# Altium PCB BACKPMAN3Rev1.0.PcbDoc (part 1 of 4) (continued)
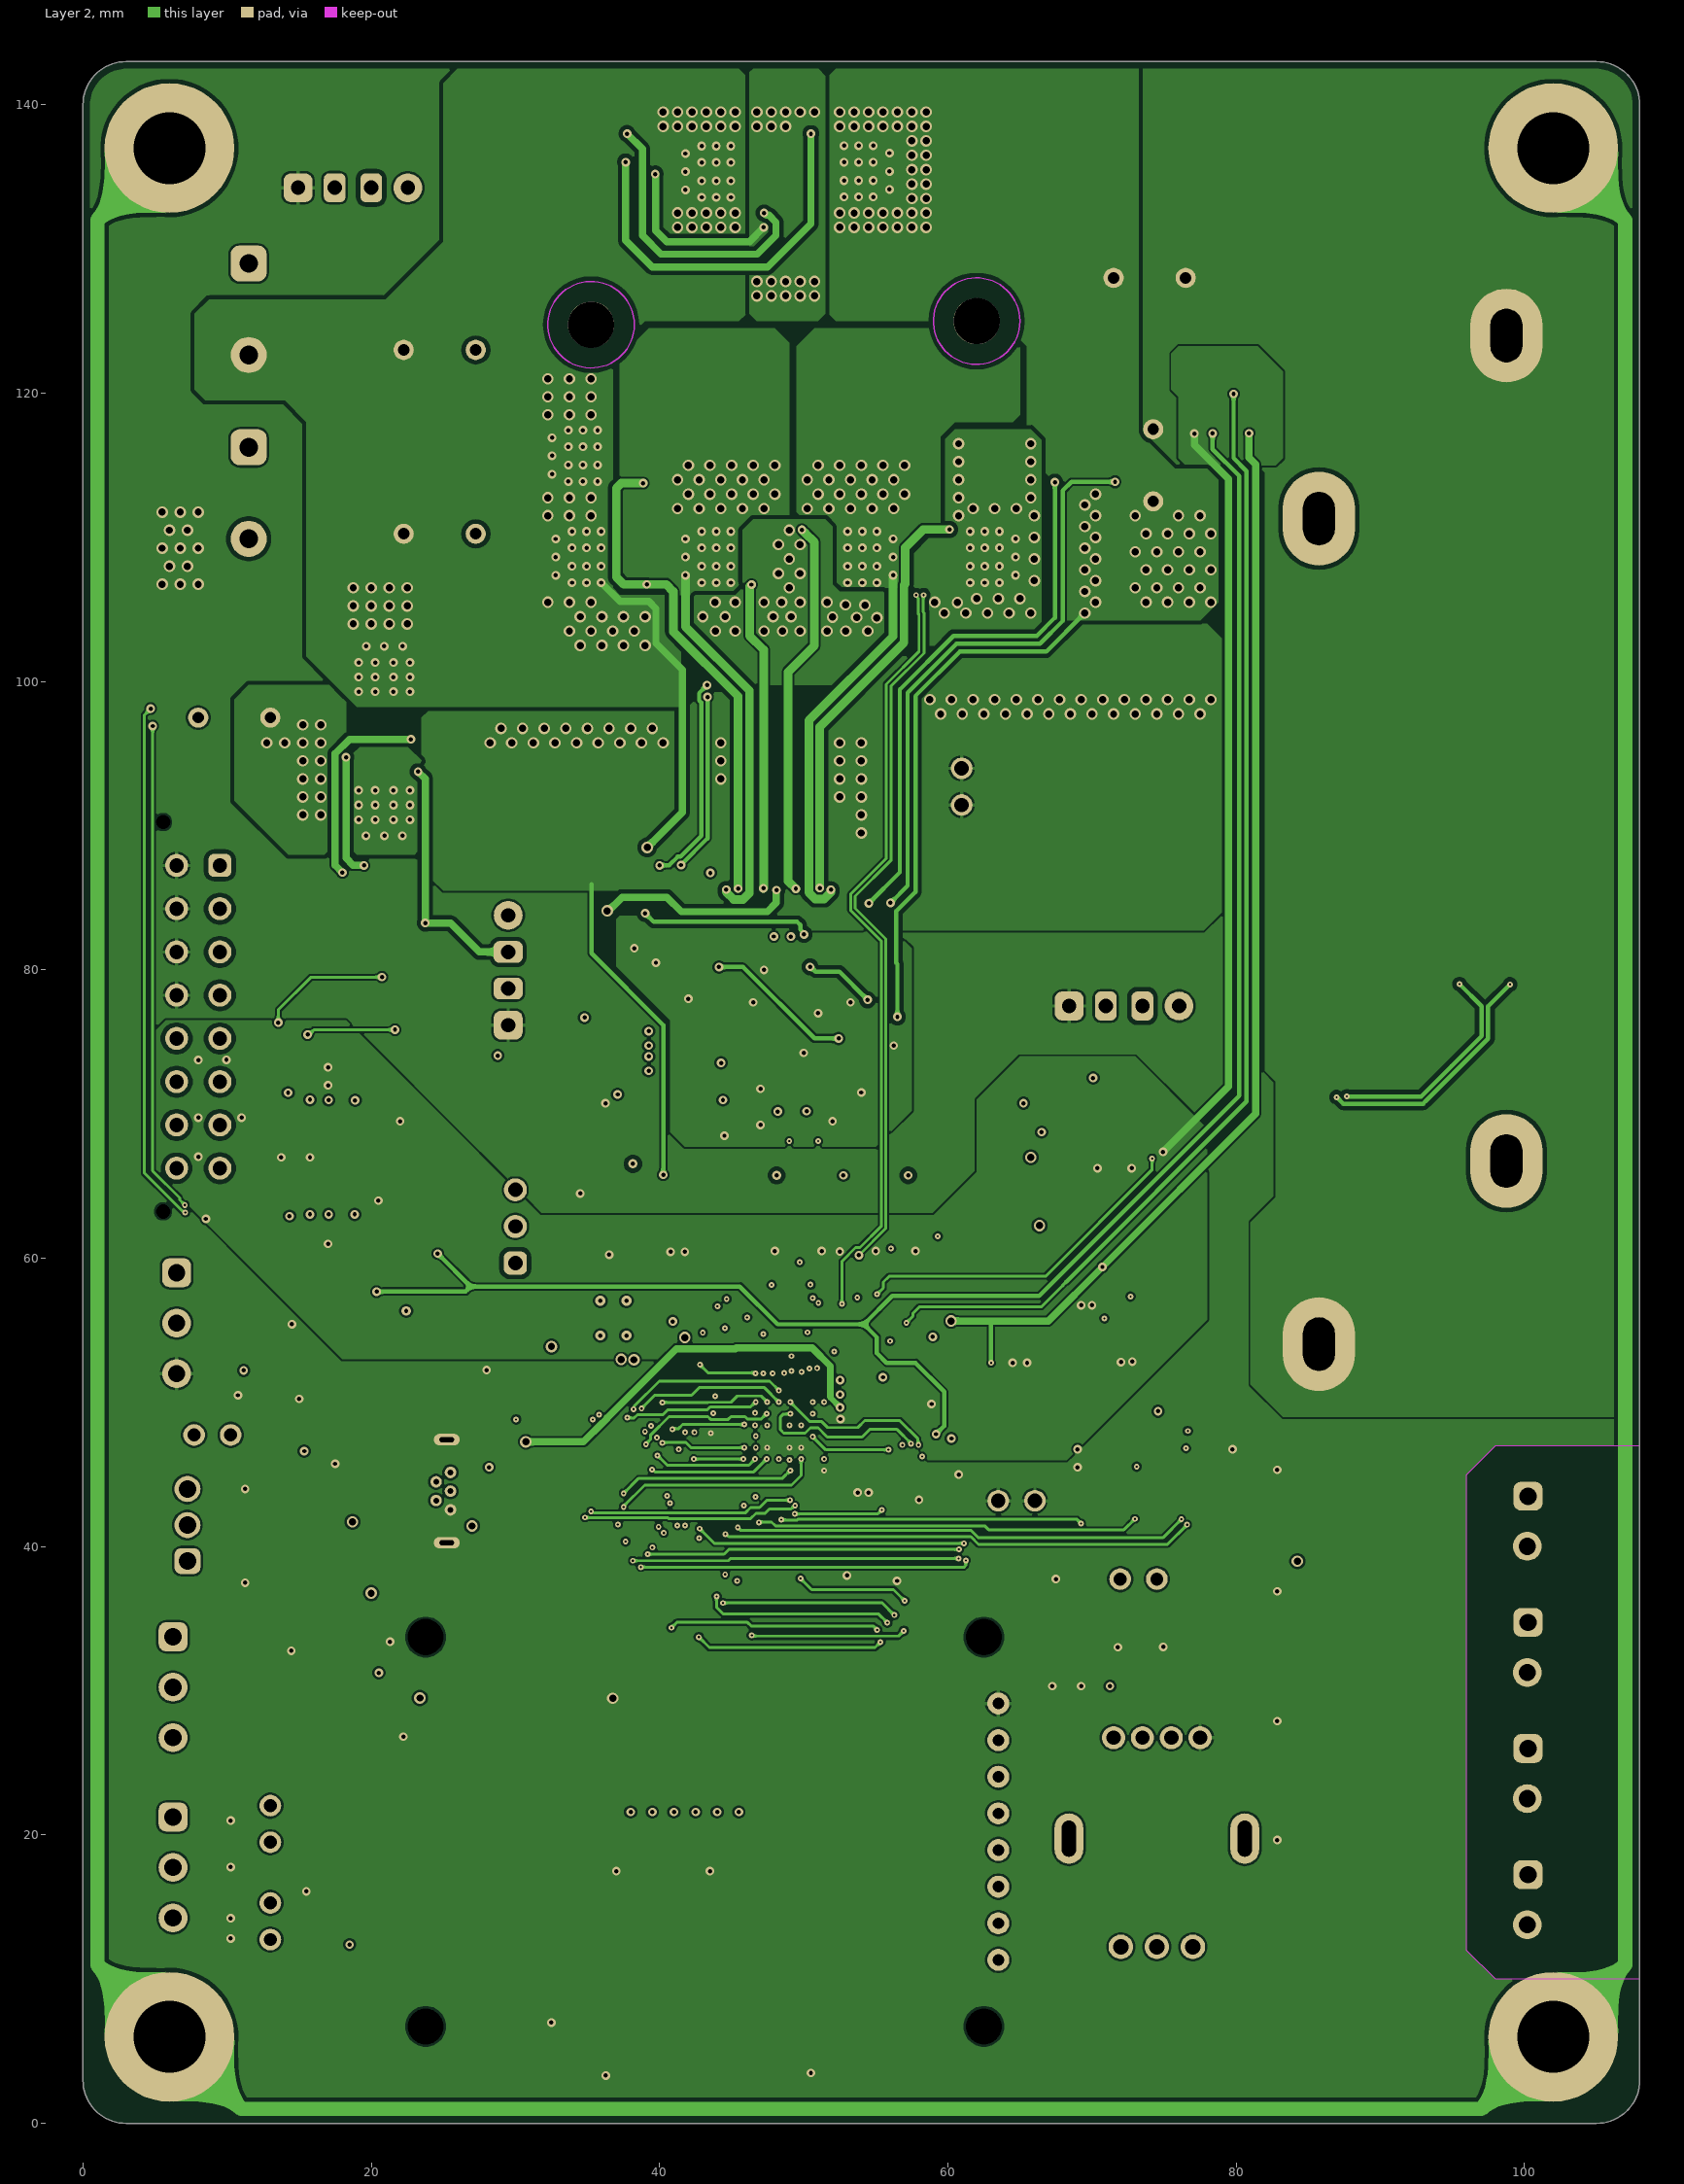
[diagram p3: Layer 2]
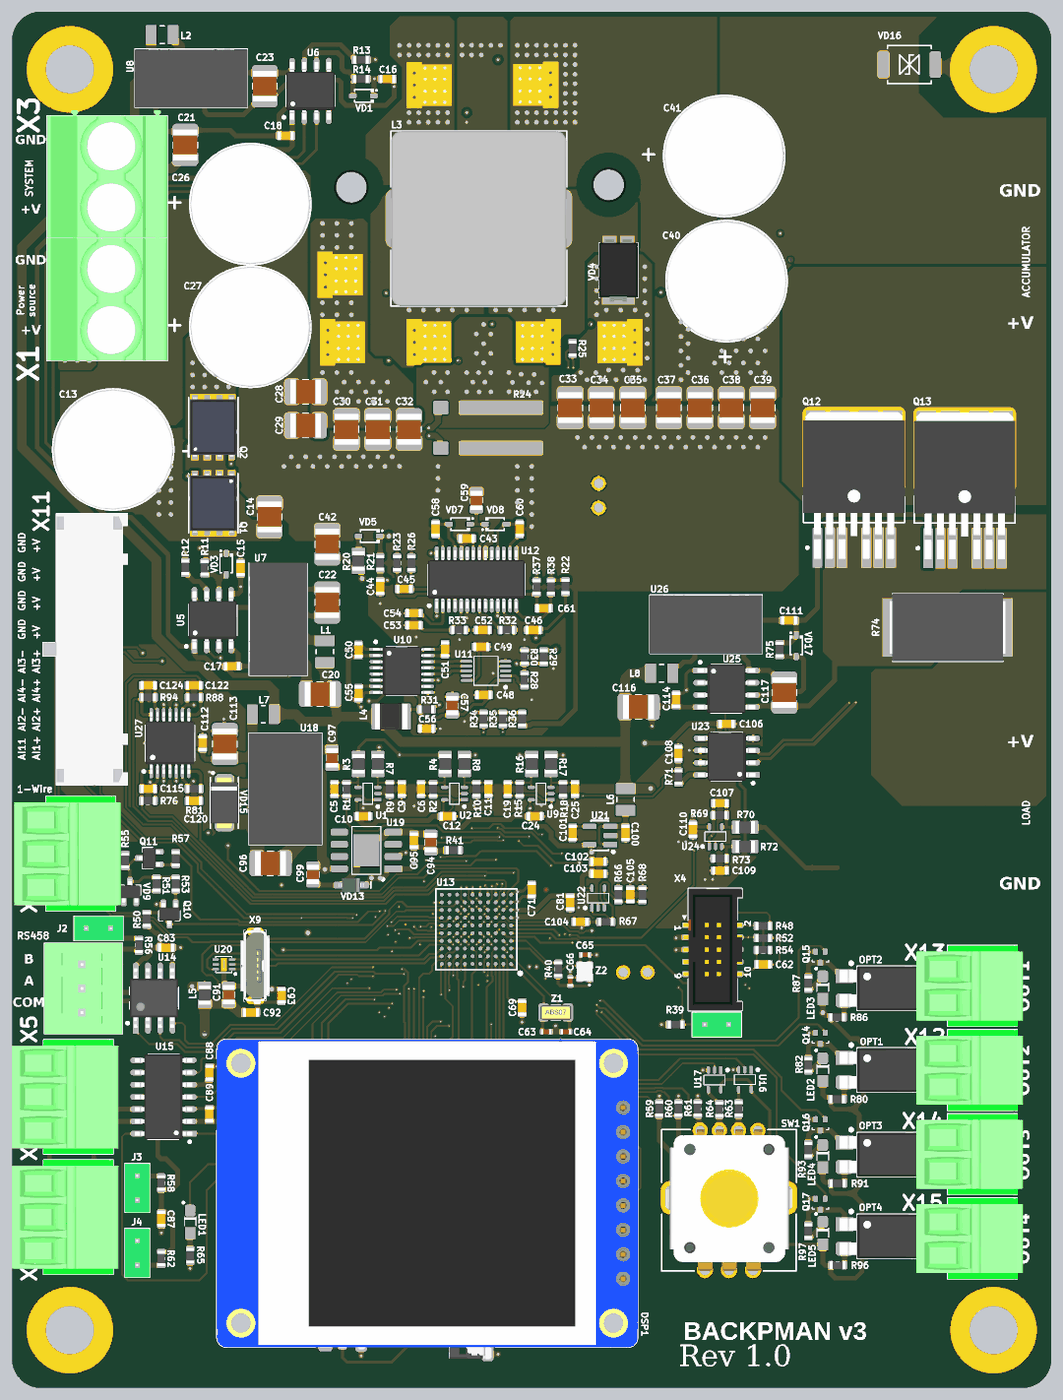
[diagram p7: 3D render of the assembled board from above, using the file's embedded part models]
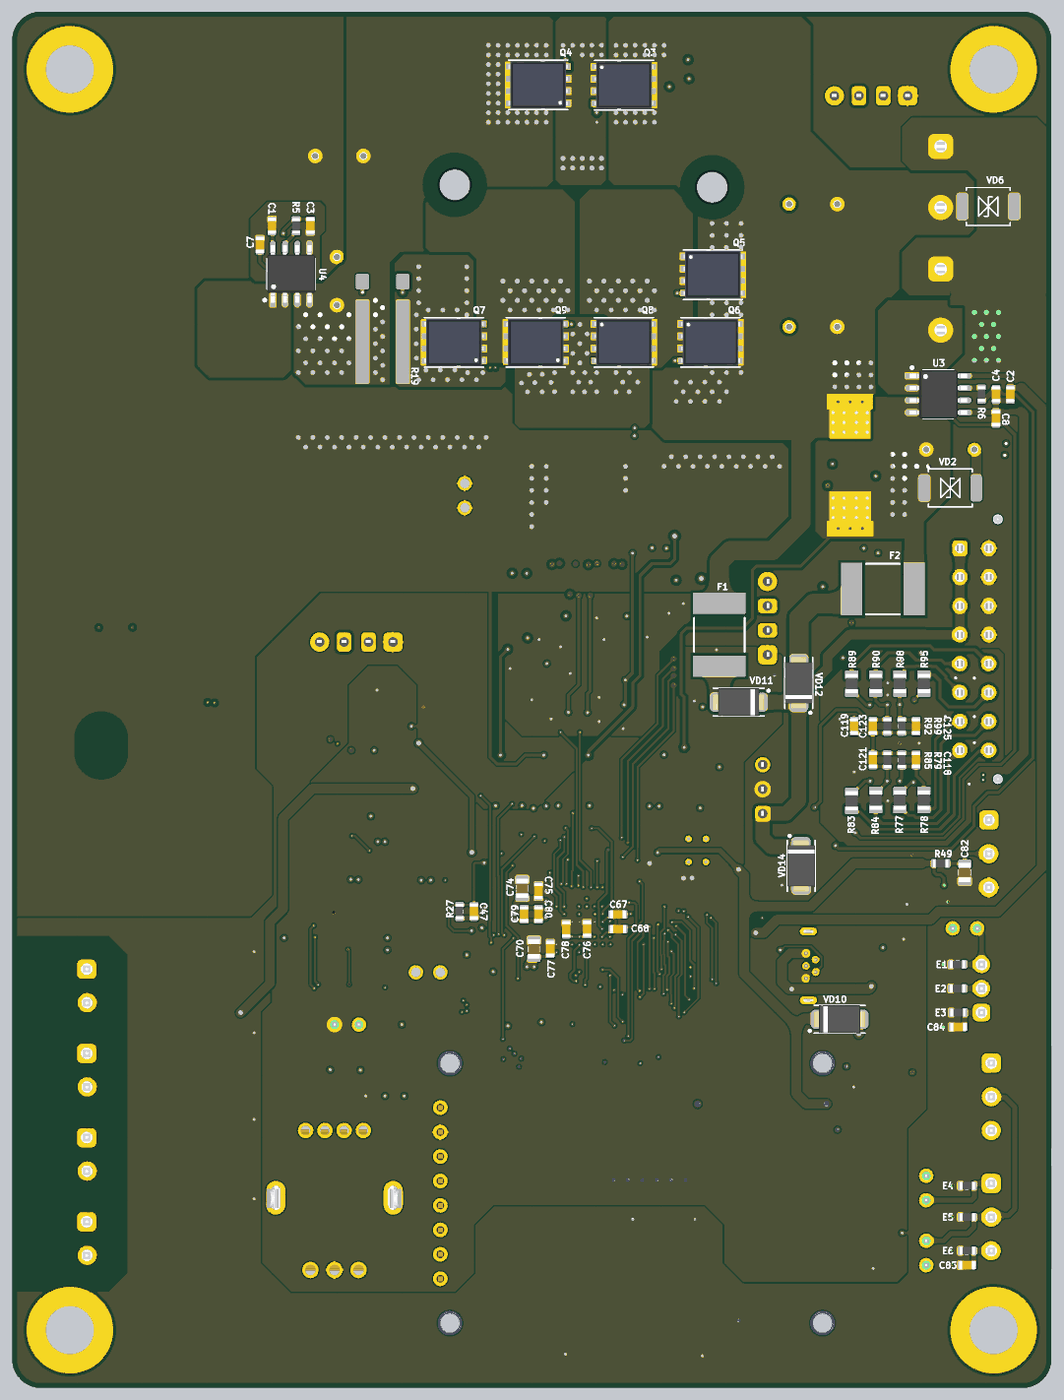
[diagram p8: 3D render of the assembled board from below, using the file's embedded part models]

## Layer stack, top to bottom
Top Solder: solder mask 0.0102, Solder Resist, Dk 3.5
Component Side: signal copper 0.035
Dielectric 2: prepreg 0.2184, PP-023, Dk 4.5
Layer 1: signal copper 0.07
Dielectric 1: core 0.9906, Core-042, Dk 4.6
Layer 2: signal copper 0.07
Dielectric 3: prepreg 0.2184, PP-023, Dk 4.5
Bottom Layer: signal copper 0.035
Solder Side: solder mask 0.0102, Solder Resist, Dk 3.5

## Board outline
0,3 0,140 cw(c3,140) 3,143 105,143 cw(c105,140) 108,140 108,3 cw(c105,3) 105,0 3,0 cw(c3,3)

## Design rules (kind name [scope] priority, off if disabled: settings)
BoardOutlineClearance BoardOutlineClearance_TopOverlay [OnLayer('Top Overlay')] p1: gap=0 ignorepadtopadclearanceinfootprint=FALSE
BoardOutlineClearance [All] p2: gap=0.5 ignorepadtopadclearanceinfootprint=FALSE except(0.2: Text-OutlineEdge Text-CavityEdge Text-CutoutEdge Text-SplitBarrior Text-SplitContinuation)
Clearance Clearance_5 [InNet('LDI+') vs InNet('LDI-')] p1: gap=0.15 ignorepadtopadclearanceinfootprint=FALSE
Clearance Clearance_4 [InNet('ACCUM_I-') vs InNet('+ACCV1')] p2: gap=0.15 ignorepadtopadclearanceinfootprint=FALSE
Clearance Clearance_3 [InNet('ACCUM_I+') vs InNet('ACCUM_I-')] p3: gap=0.15 ignorepadtopadclearanceinfootprint=FALSE
Clearance Clearance_2 [InNet('+SW2') vs InNet('TG2')] p4: gap=0.15 ignorepadtopadclearanceinfootprint=FALSE
Clearance Clearance_1 [InNet('SW1+') vs InNet('TG1')] p5: gap=0.15 ignorepadtopadclearanceinfootprint=FALSE
Clearance Clearance_24V [InNetClass('24V')] p6: gap=0.3 ignorepadtopadclearanceinfootprint=TRUE
Clearance Clearance_Poly [All vs InPolygon] p7: gap=0.15 ignorepadtopadclearanceinfootprint=FALSE
Clearance [All] p8: gap=0.125 ignorepadtopadclearanceinfootprint=FALSE
ComponentClearance [All] p1: gap=0 collisioncheckmode=3 verticalgap=0 showdistances=FALSE
Height [All] p1: minheight=0 maxheight=100 prefheight=12.7
HoleSize [All] p1: absolutevalues=TRUE maxlimit=7 minlimit=0.15 maxpercent=80.000 minpercent=20.000
MinimumAnnularRing Layer2 [OnLayer('Layer 2')] p1: minimumring=0.125
MinimumAnnularRing Layer1 [OnLayer('Layer 1')] p2: minimumring=0.125
MinimumAnnularRing All [All] p3: minimumring=0.1
MinimumSolderMaskSliver [All] p1: minsoldermaskwidth=0.05
PlaneConnect [All] p1: planeconnectstyle=Direct reliefexpansion=0.508 reliefentries=4 reliefconductorwidth=0.254 reliefairgap=0.254
PolygonConnect PolygonConnect_Components [All vs InComponent('X11') or InComponent('X6') or InComponent('X5') or InComponent('X7') or  InComponent('X8') or InComponent('DSP1')  or InComponent('uSD1') or InComponent('SW1')  or InComponent('U7')  or InComponent('U8')  or InComponent('U26')] p1: thpad.connectstyle=Relief thpad.reliefconductorwidth=0.25 thpad.reliefentries=4 thpad.polygonreliefangle="90 Angle" thpad.airgapwidth=0.15 smdpad.connectstyle=Relief smdpad.reliefconductorwidth=0.25 smdpad.reliefentries=4 smdpad.polygonreliefangle="90 Angle" smdpad.airgapwidth=0.15 via.connectstyle=Direct via.reliefconductorwidth=0.254 via.reliefentries=4 via.polygonreliefangle="90 Angle" via.airgapwidth=0.254
PolygonConnect PolygonConnect_AGND [All vs IsNamedPolygon('AGND1') or IsNamedPolygon('AGND2')   or IsNamedPolygon('AGND3') or IsNamedPolygon('CGND')] p2: thpad.connectstyle=Relief thpad.reliefconductorwidth=0.25 thpad.reliefentries=4 thpad.polygonreliefangle="90 Angle" thpad.airgapwidth=0.15 smdpad.connectstyle=Relief smdpad.reliefconductorwidth=0.25 smdpad.reliefentries=4 smdpad.polygonreliefangle="90 Angle" smdpad.airgapwidth=0.15 via.connectstyle=Direct via.reliefconductorwidth=0.254 via.reliefentries=4 via.polygonreliefangle="90 Angle" via.airgapwidth=0.254
PolygonConnect [All] p3: connectstyle=Direct reliefconductorwidth=0.254 reliefentries=4 polygonreliefangle="90 Angle" airgapwidth=0.254
RoutingVias [All] p1: holewidth=0.15 width=0.35 viastyle="Through Hole" minholewidth=0.15 minwidth=0.35 maxholewidth=7 maxwidth=10
SMDEntry [All] p1: side=TRUE corner=TRUE anyangle=TRUE
SilkToSilkClearance [All] p1: silktosilkclearance=0
SilkToSolderMaskClearance [IsPad] p1: minsilkscreentomaskgap=0.05 clearancetoexposedcopper=TRUE
SolderMaskExpansion [All] p1: expansion=0.05 istentingtop=FALSE
ViasUnderSMD [All] p1: allowed=TRUE
Width Width_inner [(OnLayer('Layer 1') OR OnLayer('Layer 2'))] p1: maxlimit=10 minlimit=0.2 preferedwidth=0.2
Width [All] p2: maxlimit=10 minlimit=0.125 preferedwidth=0.125
23 further rules are at their usual default settings.

## Classes and differential pairs
net class uSD: SDMMC_CLK SDMMC_CMD SDMMC_D0 SDMMC_D1 SDMMC_D2 SDMMC_D3
net class 24V: +ACCV +ACCV1 +ACCV_SW +CHRGV +LOADV +LOADV1 +PSRC +PSRC1 +PSRC_SW +PSRCV_IN +SW2 +SYSV ACCUM_I+ ACCUM_I- AIN1+ AIN1- AIN2+ AIN2- AIN3+ AIN3- AIN4+ AIN4- Earth LDI+ LDI- NetC58_1 NetC60_1 NetC61_1 NetC61_2 NetF1_2 NetF2_2 NetOPT1_3 NetOPT1_4 NetOPT2_3 NetOPT2_4 NetOPT3_3 NetOPT3_4 NetOPT4_3 NetOPT4_4 SW1+ TG1 TG2 VIN VINSNS VOUTSNS
net class 5V: +5V NetC93_1 NetLED2_2 NetLED3_2 NetLED4_2 NetLED5_2 NetOPT1_1 NetOPT1_2 NetOPT2_1 NetOPT2_2 NetOPT3_1 NetOPT3_2 NetOPT4_1 NetOPT4_2 USB_VBUS

## Components (designator, comment, footprint, x,y, rotation, side; value= is the part's Value field where it differs from the comment)
B1 "Net tie W10" "Net tee W 10 mm" 5.5,113.6 r90 bottom net-tie
B2 "Net tie 0.3mm" "Net tee 0.3 mm" 47.298,82.132 r270 top net-tie
B3 "Net tie 0.3mm" "Net tee 0.3 mm" 55.75,48.9 r90 bottom net-tie
B4 "Net tie 0.3mm" "Net tee 0.3 mm" 94.75,79 r0 top net-tie
B5 "Net tie 0.3mm" "Net tee 0.3 mm" 99.75,79 r180 top net-tie
C1 "0603B104K500CT" 1608[0603] 81,120.75 r270 bottom value="0.1 uF"
C2 "0603B104K500CT" 1608[0603] 4.25,103.25 r90 bottom value="0.1 uF"
C3 "Capacitor" "0603 CAP" 77,120.75 r270 bottom value="1 nF"
C4 "Capacitor" "0603 CAP" 5.75,103.25 r270 bottom value="1 nF"
C5 "06033A102FAT2A" 1608[0603] 33.5,62.225 r90 top value="1 n"
C6 "06033A102FAT2A" 1608[0603] 42.5,62.225 r90 top value="1 n"
C7 "Capacitor" "0603 CAP" 82.25,118.75 r270 bottom value="1 nF"
C8 "Capacitor" "0603 CAP" 5.75,100.75 r270 bottom value="1 nF"
C9 "06033A102FAT2A" 1608[0603] 40.5,62.225 r270 top value="1 n"
C10 "0603B104K500CT" 1608[0603] 36.5,59.4 r0 top value="0.1 uF"
C11 "06033A102FAT2A" 1608[0603] 49.5,62.225 r270 top value="1 n"
C12 "0603B104K500CT" 1608[0603] 45.25,59.4 r0 top value="0.1 uF"
C13 "EEU-FM1H471" "Through Hole 12.5/20/5" 13,97.5 r0 top value="470.0 uF"
C14 "GMC32X7R106K50NT" 3225[1210] 26.75,90.5 r90 top value="10 uF"
C15 "Capacitor" "0603 CAP" 23.75,85.175 r270 top value="1 nF"
C16 "Capacitor" "0603 CAP" 39,136 r0 top value="1 nF"
C17 "CL10B104KA8NNND" 1608[0603] 22.86,74.981 r0 top value="0.1 uF"
C18 "CL10B104KA8NNND" 1608[0603] 28.425,130.1 r180 top value="0.1 uF"
C19 "Capacitor" "0603 CAP" 51.5,62.225 r90 top value=0.047µF
C20 "GMC32X7R106K50NT" 3225[1210] 32,72.1 r180 top value="10 uF"
C21 "GMC32X7R106K50NT" 3225[1210] 18,129.15 r90 top value="10 uF"
C22 "GMC32X7R106K50NT" 3225[1210] 32.75,81.6 r90 top value="10 uF"
C23 "GMC32X7R106K50NT" 3225[1210] 26.25,135.25 r90 top value="10 uF"
C24 "0603B104K500CT" 1608[0603] 54.325,59.4 r0 top value="0.1 uF"
C25 "Capacitor" "0603 CAP" 58.5,62.225 r270 top value=0.047µF
C26 "EEU-FM1H471" "Through Hole 12.5/20/5" 22.25,123 r180 top value="470.0 uF"
C27 "EEU-FM1H471" "Through Hole 12.5/20/5" 22.25,110.25 r180 top value="470.0 uF"
C28 "GMC32X7R106K50NT" 3225[1210] 30.5,103.5 r180 top value="10 uF"
C29 "GMC32X7R106K50NT" 3225[1210] 30.5,100 r180 top value="10 uF"
C30 "GMC32X7R106K50NT" 3225[1210] 34.75,99.6 r270 top value="10 uF"
C31 "GMC32X7R106K50NT" 3225[1210] 38,99.6 r270 top value="10 uF"
C32 "GMC32X7R106K50NT" 3225[1210] 41.25,99.6 r270 top value="10 uF"
C33 "GMC32X7R106K50NT" 3225[1210] 58,101.85 r270 top value="10 uF"
C34 "GMC32X7R106K50NT" 3225[1210] 61.25,101.85 r270 top value="10 uF"
C35 "GMC32X7R106K50NT" 3225[1210] 64.5,101.85 r270 top value="10 uF"
C36 "GMC32X7R106K50NT" 3225[1210] 71.5,101.85 r270 top value="10 uF"
C37 "GMC32X7R106K50NT" 3225[1210] 68.25,101.85 r270 top value="10 uF"
C38 "GMC32X7R106K50NT" 3225[1210] 74.75,101.85 r270 top value="10 uF"
C39 "GMC32X7R106K50NT" 3225[1210] 78,101.85 r270 top value="10 uF"
C40 "EEU-FM1H471" "Through Hole 12.5/20/5" 74.25,112.5 r270 top value="470.0 uF"
C41 "EEU-FM1H471" "Through Hole 12.5/20/5" 71.5,128 r180 top value="470.0 uF"
C42 "GMC32X7R106K50NT" 3225[1210] 32.75,87.65 r90 top value="10 uF"
C43 "0603B104K500CT" 1608[0603] 47.25,88.25 r180 top value="0.1 uF"
C44 "0603B104K500CT" 1608[0603] 38.25,83.25 r270 top value="0.1 uF"
C45 "Capacitor" "0603 CAP" 40.75,83 r0 top value=33pF
C46 "0603B104K500CT" 1608[0603] 54.175,78.75 r180 top value="0.1 uF"
C47 "0603B104K500CT" 1608[0603] 60,49.5 r270 bottom value="0.1 uF"
C48 "0603B104K500CT" 1608[0603] 49,72 r180 top value="0.1 uF"
C49 "C1608X7R1H224K080AB" 1608[0603] 48.75,77 r180 top value="0.22 uF"
C50 "CL10B104KA8NNND" 1608[0603] 36,76.675 r90 top value="0.1 uF"
C51 "CL10B104KA8NNND" 1608[0603] 45,76.75 r90 top value="0.1 uF"
C52 "GMC10X7R103M50NT" 1608[0603] 48.925,78.75 r180 top value="10 nF"
C53 "Capacitor" "0603 CAP" 41.75,79.25 r0 top value=33pF
C54 "GMC10X7R103M50NT" 1608[0603] 41.75,80.5 r0 top value="10 nF"
C55 "CL10B104KA8NNND" 1608[0603] 36,72.175 r90 top value="0.1 uF"
C56 "CL10B104KA8NNND" 1608[0603] 43.075,68.5 r180 top value="0.1 uF"
C57 "GRM21BR61E106KA73L" 2012[0805] 45.75,70.85 r270 top value="10 uF"
C58 "C1608X7R1H224K080AB" 1608[0603] 44,89.25 r270 top value="0.22 uF"
C59 "GRM21BR61E106KA73L" 2012[0805] 48.25,92.25 r90 top value="10 uF"
C60 "C1608X7R1H224K080AB" 1608[0603] 52.75,89.25 r270 top value="0.22 uF"
C61 "C1608X5R1H105K080AB" 1608[0603] 55.25,81 r180 top value="1 uF"
C62 "CL10B104KA8NNND" 1608[0603] 78.075,44 r0 top value="0.1 uF"
C63 "Capacitor" "0402 CAP" 55.5,37 r0 top value=12pF
C64 "Capacitor" "0402 CAP" 57.548,37 r180 top value=12pF
C65 "Capacitor" "0402 CAP" 59.548,45 r0 top value=10pF
C66 "Capacitor" "0402 CAP" 58,42.25 r90 top value=10pF
C67 "C1608X5R1C225K080AB" 1608[0603] 45.05,49.2 r180 bottom value="2.2 µF"
C68 "C1608X5R1C225K080AB" 1608[0603] 45.025,47.675 r180 bottom value="2.2 µF"
C69 "C1608X5R1C225K080AB" 1608[0603] 53,39.5 r270 top value="2.2 µF"
C70 "GRM21BR61E106KA73L" 2012[0805] 53.775,45.65 r90 bottom value="10 uF"
C71 "C1608X5R1C225K080AB" 1608[0603] 54,51.75 r90 top value="2.2 µF"
C72 "GRM21BR61E106KA73L" 2012[0805] 32.55,5.1 r270 top value="10 uF"
C73 "0603B104K500CT" 1608[0603] 34.35,4.975 r270 top value="0.1 uF"
C74 "GRM21BR61E106KA73L" 2012[0805] 55,51.95 r90 bottom value="10 uF"
C75 "CL10B104KA8NNND" 1608[0603] 53.3,51.625 r90 bottom value="0.1 uF"
C76 "CL10B104KA8NNND" 1608[0603] 48.25,47.7 r90 bottom value="0.1 uF"
C77 "CL10B104KA8NNND" 1608[0603] 52.075,45.625 r90 bottom value="0.1 uF"
C78 "CL10B104KA8NNND" 1608[0603] 50.425,47.65 r90 bottom value="0.1 uF"
C79 "CL10B104KA8NNND" 1608[0603] 54.8,49.225 r90 bottom value="0.1 uF"
C80 "GMC10X7R103M50NT" 1608[0603] 53.3,49.225 r270 bottom value="10 nF"
C81 "C1608X5R1C225K080AB" 1608[0603] 58,50.425 r270 top value="2.2 µF"
C82 "GRM21BR61E106KA73L" 2012[0805] 9,53.5 r270 bottom value="10 uF"
C83 "0603B104K500CT" 1608[0603] 16,45.75 r0 top value="0.1 uF"
C84 "CL10B104KA8NNND" 1608[0603] 9.675,37.5 r0 bottom value="0.1 uF"
C85 "CL10B104KA8NNND" 1608[0603] 8.75,12.75 r0 bottom value="0.1 uF"
C86 "GRM21BR61E106KA73L" 2012[0805] 61.75,27.75 r270 top value="10 uF"
C87 "CL10B104KA8NNND" 1608[0603] 15.5,17.575 r90 top value="0.1 uF"
C88 "CL10B104KA8NNND" 1608[0603] 20.5,32.75 r270 top value="0.1 uF"
C89 "CL10B104KA8NNND" 1608[0603] 20.5,28.425 r90 top value="0.1 uF"
C90 "GRM21BR61E106KA73L" 2012[0805] 22.25,28.65 r90 top value="10 uF"
C91 "GRM21BR61E106KA73L" 2012[0805] 22.5,40.9 r90 top value="10 uF"
C92 "CL10B104KA8NNND" 1608[0603] 24.825,39 r0 top value="0.1 uF"
C93 "CL10B104KA8NNND" 1608[0603] 28,40.75 r270 top value="0.1 uF"
C94 "GRM21BR61E106KA73L" 2012[0805] 43.51,56.617 r270 top value="10 uF"
C95 "CL10B104KA8NNND" 1608[0603] 41.758,56.871 r270 top value="0.1 uF"
C96 "GMC32X7R106K50NT" 3225[1210] 26.85,54.5 r180 top value="10 uF"
C97 "GRM21BR61E106KA73L" 2012[0805] 33.25,65.5 r90 top value="10 uF"
C98 "T495D337K006ATE100" "T495 D" 31.75,29.5 r0 top value="330 uF"
C99 "GRM21BR61E106KA73L" 2012[0805] 31.25,53.4 r90 top value="10 uF"
C100 "C1608X5R1H105K080AB" 1608[0603] 63.75,57.675 r90 top value="1 uF"
C101 "0603B104K500CT" 1608[0603] 58.25,57.675 r270 top value="0.1 uF"
C102 "C1608X5R1H105K080AB" 1608[0603] 60.925,54.675 r180 top value="1 uF"
C103 "0603B104K500CT" 1608[0603] 60.925,53.425 r0 top value="0.1 uF"
C104 "Capacitor" "0603 CAP" 59.075,48.425 r180 top value="1 nF"
C105 "0603B104K500CT" 1608[0603] 64.25,51.25 r90 top value="0.1 uF"
C106 "0603B104K500CT" 1608[0603] 74.25,69 r0 top value="0.1 uF"
C107 "Capacitor" "0603 CAP" 73.575,60.75 r0 top value=0.047µF
C108 "Capacitor" "0603 CAP" 69.25,65.925 r270 top value="1 nF"
C109 "Capacitor" "0603 CAP" 73.575,53.75 r180 top value=0.047µF
C110 "0603B104K500CT" 1608[0603] 70.75,58 r270 top value="0.1 uF"
C111 "Capacitor" "0603 CAP" 80.75,79.75 r180 top value="1 nF"
C112 "GMC32X7R106K50NT" 3225[1210] 22.1,66.9 r90 top value="10 uF"
C113 "0603B104K500CT" 1608[0603] 19.8,67 r90 top value="0.1 uF"
C114 "CL10B104KA8NNND" 1608[0603] 69,71.5 r270 top value="0.1 uF"
C115 "Capacitor" "0603 CAP" 14.15,62.25 r0 top value=0.047µF
C116 "GMC32X7R106K50NT" 3225[1210] 65.1,70.75 r0 top value="10 uF"
C117 "GMC32X7R106K50NT" 3225[1210] 80.25,72.25 r90 top value="10 uF"
C118 "Capacitor" "0603 CAP" 14.05,65.25 r90 bottom value=0.047µF
C119 "Capacitor" "0603 CAP" 20.5,68.75 r270 bottom value="1 nF"
C120 "Capacitor" "0603 CAP" 18.9,61 r180 top value=0.047µF
C121 "Capacitor" "0603 CAP" 18.55,65.25 r90 bottom value=0.047µF
C122 "Capacitor" "0603 CAP" 18.9,73 r180 top value=0.047µF
C123 "Capacitor" "0603 CAP" 18.55,68.75 r270 bottom value=0.047µF
C124 "Capacitor" "0603 CAP" 14.15,73 r0 top value=0.047µF
C125 "Capacitor" "0603 CAP" 14.05,68.75 r270 bottom value=0.047µF
DSP1 "1.54_inch_IPS_Module" "1.54 inch IPS 240x240" 63.5,29.12 r270 top locked
E1 "ESD03A5V5R17V" 0603 9.75,44 r0 bottom
E2 "ESD03A5V5R17V" 0603 9.75,41.5 r0 bottom
E3 "823 560 505 60" 0603 9.7,39 r180 bottom
E4 "ESD03A5V5R17V" 0603 8.75,21 r180 bottom
E5 "ESD03A5V5R17V" 0603 8.75,17.75 r180 bottom
E6 "ESD03A5V5R17V" 0603 8.75,14.25 r180 bottom
F1 "0ZCF0075AF2C" "2920 (7351 Metric)" 34.5,78.25 r270 bottom value=1.5A
F2 "0ZCF0075AF2C" "2920 (7351 Metric)" 17.5,83 r0 bottom value=1.5A
H1 "Hole 5MM Plated" "HOLE_5MM plated" 102,6 r0 top
H2 "Hole 5MM Plated" "HOLE_5MM plated" 102,137 r0 top
H3 "Hole 5MM Plated" "HOLE_5MM plated" 6,137 r0 top
H4 "Hole 5MM Plated" "HOLE_5MM plated" 6,6 r0 top
J1 "PH1-02-TA-HT" HDR1X2V 71.96,37.75 r0 top
J2 "PH1-02-TA-HT" HDR1X2V 7.71,47.75 r0 top
J3 "PH1-02-TA-HT" HDR1X2V 13,22.04 r270 top
J4 "PH1-02-TA-HT" HDR1X2V 13,15.29 r270 top
L1 "BRC2518T220K" 2518 32.5,76.5 r90 top value="22 uH"
L2 "BRC2518T220K" 2518 15.596,140.589 r0 top value="22 uH"
L3 "7443556260" "7443556260   Wurth Elektronik" 48.5,121.5 r0 top value="2.6 uH"
L4 "BRL3225T2R2M" LSQPB3225 39.39,69.75 r180 top value="2.2 uH"
L5 "MPZ2012S601AT000" 0805 20,40.825 r270 top value="600 Ohm @ 100MHz"
L6 "BRC2518T220K" 2518 63.75,61.135 r270 top value="22 uH"
L7 "BRC2518T220K" 2518 26.1,70 r180 top value="22 uH"
L8 "BRC2518T220K" 2518 67.5,74.25 r0 top value="22 uH"
LED1 "SML-211UTT86" "0805 LED" 18.5,17.25 r90 top value=Red
LED2 "SML-211UTT86" "0805 LED" 84.25,33.075 r90 top value=Red
LED3 "SML-211UTT86" "0805 LED" 84.25,41.575 r90 top value=Red
LED4 "SML-211UTT86" "0805 LED" 84.25,24.075 r90 top value=Red